# KiCad board ulx4m.kicad_pcb (continued)
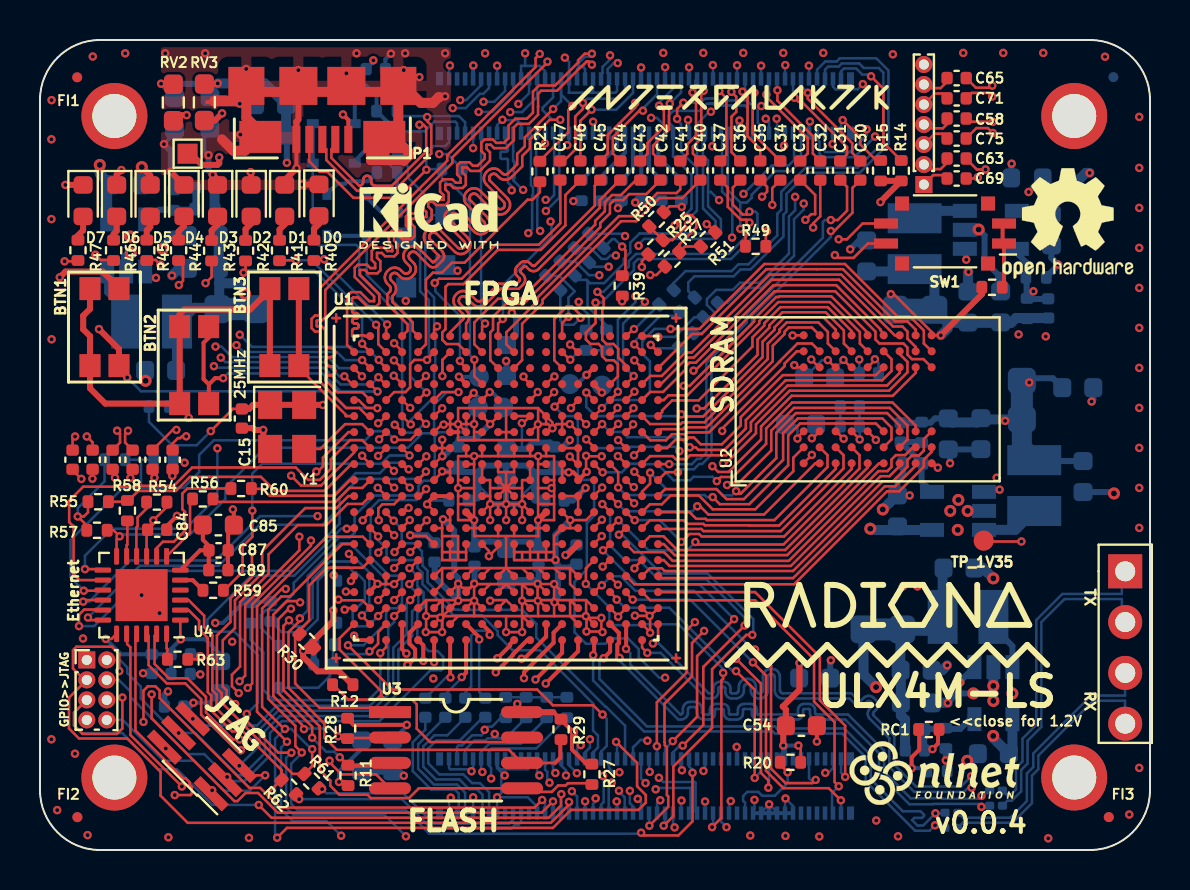
[diagram p0: board, top side]
## Routing (per net, layer and track width the routed paths; a pad name or vN(x,y) marks a point on that pad's centre or on a via; arc(x,y) is an arc through that point) (continued)
  In2signal.Cu w0.127: v3(36.62,32.25) 36.83,32.05 36.83,30.79 36.48,30.44 35.51,30.44 34.28,29.21 32.47,29.21 31.15,27.9 29.99,27.9 v3(29.78,27.69)
  Bottom w0.127: v3(29.78,27.69) 29.78,27.39 28.9,26.51 v3(28.9,22.92)
FPDI_D2+: length 17.1
  Top w0.127: v3(27.88,27.91) 28.19,27.6 28.19,27.12 28.12,27.05 28.12,25.51 28.32,25.3 28.68,25.3 28.92,25.06 28.92,24.62 29.31,24.23 U1.C18 ; C37.1 34.39,33.12 34.39,32.16 35.04,31.52 35.33,31.52 v3(35.48,31.37)
  Bottom w0.127: v3(35.48,31.37) 35.48,30.84 34.44,29.8 29.8,29.8 29.45,29.45 29.45,29.18 28.17,27.91 v3(27.88,27.91)
FPDI_D2-: length 19.2
  Top w0.127: v3(27.78,27.37) 27.78,26.34 27.3,25.86 27.3,25.53 27.52,25.3 27.93,25.3 28.11,25.12 28.11,24.69 28.32,24.49 28.7,24.49 28.9,24.28 28.9,23.69 U1.D17 ; C36.1 34.65,33.12 34.65,32.27 35.14,31.77 35.33,31.77 v3(35.48,31.92)
  Bottom w0.127: v3(27.78,27.37) 28.08,27.37 29.7,28.99 29.7,29.34 29.91,29.55 34.55,29.55 35.88,30.87 35.88,31.81 35.78,31.92 v3(35.48,31.92)
GLOBAL_EN: length 18.5
  Top w0.127: U1.U18 29.31,12.85 v3(29.64,12.52) ; v3(40.05,2.48) 39.44,3.09 37.17,3.09 36.31,3.96 36.31,8.72 v3(35.65,9.38)
  Bottom w0.127: v3(29.64,12.52) 32.51,12.52 v3(35.65,9.38) ; J1.99 40.06,2.48 v3(40.05,2.48)
GN0: length 14.4
  Top w0.127: U1.C11 24.11,24.49 24.11,26.31 25.13,27.34 25.13,27.52 29.05,31.44 29.81,31.44 30.97,32.59 32.12,32.59 C40.1
GN3: length 14.4
  Top w0.127: U1.C10 22.52,24.49 22.52,25.88 22.66,26.02 22.66,26.66 23.3,27.31 24.19,27.31 28.02,31.14 28.02,31.35 28.5,31.84 28.5,32.29 28.71,32.49 29.16,32.49 29.46,32.79 30.32,32.79 C42.1
GN4: length 14
  Top w0.127: C44.1 28.99,33.49 27.99,32.5 27.99,32.11 24.93,29.04 24.87,28.99 24.8,28.96 24.72,28.94 24.64,28.94 24.57,28.96 24.5,28.99 24.44,29.04 24.34,29.14 24.32,29.16 24.29,29.17 24.27,29.18 24.24,29.18 24.22,29.17 24.2,29.16 24.18,29.14 24.06,29.02 24.04,29 24.03,28.98 24.02,28.96 24.02,28.93 24.03,28.91 24.04,28.88 24.06,28.86 24.16,28.76 24.21,28.7 24.24,28.63 24.26,28.56 24.26,28.48 24.24,28.4 24.21,28.33 24.16,28.27 23.95,28.06 23.04,28.06 22.28,27.3 22.2,27.24 22.11,27.19 22.01,27.17 21.91,27.17 21.81,27.19 21.72,27.24 21.64,27.3 21.32,27.62 21.28,27.65 21.24,27.67 21.19,27.68 21.14,27.68 21.09,27.67 21.05,27.65 21.01,27.62 20.98,27.58 20.96,27.54 20.94,27.49 20.94,27.44 20.96,27.39 20.98,27.34 21.01,27.3 21.33,26.98 21.39,26.9 21.44,26.81 21.46,26.72 21.46,26.62 21.44,26.52 21.39,26.43 21.33,26.35 21.31,26.33 U1.A8
GN5: length 14
  Top w0.127: U1.B8 20.91,25.3 20.33,25.3 20.12,25.51 20.12,25.88 20.28,26.04 20.28,28.15 20.42,28.29 21.18,28.29 22.89,30 25.05,30 26.27,31.23 26.27,32.75 C46.1
GP0: length 13.4
  Top w0.127: C41.1 32.02,33.03 31.83,32.85 30.86,32.85 29.71,31.69 28.95,31.69 24.88,27.62 24.88,27.44 23.32,25.88 23.32,25.29 U1.B11
GP3: length 13.3
  Top w0.127: U1.B9 21.72,25.29 21.72,26.38 22.91,27.56 24.06,27.56 27.76,31.27 27.76,31.46 28.25,31.94 28.25,32.39 28.61,32.75 29.05,32.75 29.8,33.49 C43.1
GP4: length 13.9
  Top w0.127: U1.A7 20.51,25.89 21.13,26.51 21.16,26.55 21.18,26.59 21.19,26.64 21.19,26.69 21.18,26.74 21.16,26.78 21.13,26.82 20.81,27.14 20.75,27.22 20.7,27.31 20.68,27.41 20.68,27.51 20.7,27.61 20.75,27.7 20.81,27.78 20.85,27.82 20.93,27.88 21.02,27.93 21.12,27.95 21.22,27.95 21.31,27.93 21.4,27.88 21.48,27.82 21.8,27.5 21.84,27.47 21.89,27.45 21.94,27.43 21.99,27.43 22.04,27.45 22.08,27.47 22.12,27.5 22.94,28.31 23.84,28.31 23.97,28.44 23.98,28.46 23.99,28.48 24,28.51 24,28.53 23.99,28.55 23.98,28.58 23.97,28.6 23.86,28.7 23.81,28.76 23.78,28.83 23.76,28.9 23.76,28.98 23.78,29.06 23.81,29.13 23.86,29.19 24.01,29.34 24.07,29.39 24.14,29.42 24.22,29.44 24.3,29.44 24.37,29.42 24.44,29.39 24.5,29.34 24.6,29.23 24.62,29.22 24.65,29.21 24.67,29.2 24.69,29.2 24.72,29.21 24.74,29.22 24.76,29.23 25.42,29.9 27.74,32.21 27.74,33.22 C45.1
GP5: length 14.6
  Top w0.127: U1.C8 21,24.4 v3(21,24.46) ; C47.1 26.02,31.34 24.95,30.26 22.79,30.26 21.09,28.56 19.95,28.56 v3(19.74,28.35)
  Bottom w0.127: 19.77,28.41 19.77,27.93 21,26.7 v3(21,24.46)
GPIO2: length 19.7
  Top w0.127: v3(35.24,11.22) 33.17,9.15 33.17,6.25 v3(32.14,5.22) ; v3(28.12,17.29) 28.51,16.9 U1.M17
  Bottom w0.127: v3(28.12,17.29) 28.51,16.9 28.51,15.22 29.24,14.49 29.96,14.49 30.92,13.53 33.32,13.53 35.24,11.62 v3(35.24,11.22) ; v3(32.14,5.22) 31.99,5.22 31.66,4.89 J1.58
GPIO3: length 16.9
  Top w0.127: U1.P17 28.2,14.98 v3(28.15,14.98) ; v3(31.64,5.44) 32.86,6.66 32.86,9.69 v3(34.71,11.54)
  Bottom w0.127: v3(31.64,5.44) 31.26,5.06 J1.56 ; v3(34.71,11.54) 32.99,13.26 29.87,13.26 v3(28.15,14.98)
GPIO4: length 14.9
  Top w0.127: v3(30.85,5.19) 30.85,7.38 32.35,8.89 32.35,11 v3(32.75,11.39) ; U1.P16 27.71,15.31 v3(28.09,15.69)
  In2signal.Cu w0.127: v3(32.75,11.39) 32.69,11.39 30.89,13.2 30.89,13.58 29.48,14.98 28.72,14.98 28.09,15.61 v3(28.09,15.69)
  Bottom w0.127: v3(30.85,5.19) 30.86,5.18 J1.54
GPIO5: length 46.6
  Top w0.127: U1.N1 15.37,16.09 v3(15.34,16.06)
  In2signal.Cu w0.127: v3(10.34,6.8) 10.34,6.47 7.44,3.58 6.9,3.58 6.34,3.01 6.34,2.58 6.57,2.35 6.91,2.35 7.09,2.52 7.77,2.52 8.44,1.85 11.66,1.85 11.87,2.07 23.22,2.07 24.07,2.91 25.6,2.91 25.88,3.19 26.26,3.19 26.4,3.34 26.92,3.34 27.25,3.67 27.25,5.04 v3(27.04,5.25)
  Bottom w0.127: v3(15.34,16.06) 15.06,16.06 12.71,13.71 10.56,13.71 8.37,11.52 8.37,11.19 8.65,10.91 9.72,10.91 10.9,9.73 10.9,7.36 v3(10.34,6.8) ; v3(27.04,5.25) 26.86,5.06 J1.34
GPIO6: length 21.3
  Top w0.127: U1.R1 15.45,14.75 v3(15.45,14.8)
  In2signal.Cu w0.127: v3(15.45,14.8) 15.81,14.45 15.81,13.79 16.7,12.89 18.28,12.89 19.34,12.89 20.49,11.74 20.74,11.74 20.81,11.81 24.5,11.81 25.27,11.04 25.27,9.63 26.63,8.27 26.63,6.56 26.23,6.17 26.23,3.8 v3(26.31,3.73) 26.31,3.81 26.3,3.82
  Bottom w0.127: v3(26.31,3.73) 26.31,3.99 26.06,4.24 J1.30
GPIO7: length 21.6
  Top w0.127: U1.P3 16.92,14.91 v3(16.92,14.87)
  In2signal.Cu w0.127: v3(16.92,14.87) 16.92,14.2 17.43,13.69 18.28,13.69 18.9,13.69 20.53,12.06 24.63,12.06 25.52,11.17 25.52,9.74 26.9,8.36 26.9,6.66 27.63,5.94 27.69,5.94 27.9,5.73 27.9,4.04 27.76,3.89 27.76,2.61 v3(27.79,2.58)
  Bottom w0.127: v3(27.79,2.58) 27.79,2.43 27.66,2.3 J1.37
GPIO8: length 21.2
  Top w0.127: v3(17.73,14.9) 17.73,14.92 U1.P4
  In2signal.Cu w0.127: v3(17.73,14.9) 18.13,14.49 18.71,14.49 20.34,12.86 25.09,12.86 25.3,12.65 25.3,11.78 25.79,11.29 25.79,9.83 27.16,8.46 27.16,6.77 27.73,6.19 27.8,6.19 28.16,5.83 v3(28.16,3.7)
  Bottom w0.127: J1.39 28.06,2.26 28.19,2.39 28.19,3.67 v3(28.16,3.7)
GPIO9: length 29.9
  Top w0.127: U1.L5 18.95,17.69 v3(19.31,18.05) ; v3(28.13,6.77) 27.67,7.24 25.65,7.24 24.86,8.02 17.61,8.02 v3(15.4,10.24)
  Bottom w0.127: v3(19.31,18.05) 19.31,17.97 18.83,17.49 16.96,17.49 16.54,17.07 16.54,16.22 16.51,16.2 16.51,14.67 17.47,13.71 17.86,13.71 18.1,13.48 18.1,13.15 18.1,13.14 18.1,12.33 17.85,12.08 17.5,12.08 17.31,11.89 17.31,11.36 16.18,10.24 v3(15.4,10.24) ; v3(28.13,6.77) 28.34,6.56 28.34,5.2 28.06,4.92 J1.40
GPIO10: length 63.8
  Top w0.127: U1.K4 18.49,18.12 v3(18.49,18.12) ; v3(12.25,6.05) 12.21,6.05 11.11,7.16 11.11,12.08 12.09,13.05 v3(12.29,13.05) ; U4.3 7.43,12.49 8.21,11.71 8.21,11.14 8.62,10.73 8.62,10.03 8.62,7.99 8.83,7.78 8.83,7.07 9.72,6.18 10.25,6.18 12.63,3.81 R61.2 13.61,4.2 v2(13.61,5.04) ; v3(11.86,0.61) 12.35,1.1 25.65,1.1 26.55,2 29.93,2 30.29,2.37 30.29,2.75 29.86,3.19 29.86,4.36 v3(28.81,5.4)
  In2signal.Cu w0.127: v3(12.29,13.05) 12.54,13.3 12.54,16.04 15.22,18.72 17.15,18.72 17.38,18.49 18.11,18.49 v3(18.49,18.12)
  Bottom w0.127: J1.44 28.86,5.36 v3(28.81,5.4) ; v2(13.61,5.04) 13.57,5.04 12.56,6.05 v3(12.25,6.05) 11.76,5.56 11.76,0.72 v3(11.86,0.61)
GPIO11: length 18.8
  Top w0.127: v3(16.91,15.68) 16.91,15.69 U1.N2
  Bottom w0.127: v3(16.91,15.68) 16.91,15.49 17.33,15.07 17.33,14.5 17.34,14.49 18.71,14.49 18.88,14.33 18.88,14.11 19.13,13.86 19.13,13.29 20.67,11.74 22.09,11.74 22.89,10.94 22.89,10.74 23.64,9.98 25,9.98 27.66,7.33 27.66,5.97 27.9,5.73 27.9,5.12 27.66,4.88 J1.38
GPIO12: length 57.9
  Top w0.127: v3(3.96,8.94) 3.96,9.79 3.59,10.16 1.82,10.16 1.65,9.99 1.65,9.07 2.22,8.5 J6.3 1.45,7.61 1.45,6.07 1.95,5.57 4.36,5.57 6.03,3.9 6.03,2.71 7.39,1.36 25.54,1.36 26.45,2.27 v2(26.45,2.41) ; v3(9.94,7.84) 9.6,8.18 9.6,8.76 10,9.17 10,12.39 11.43,13.81 11.43,14.78 12.89,16.24 14.32,16.24 15.38,17.3 16.12,17.3 U1.L2
  In2signal.Cu w0.127: v3(3.96,8.94) 4.13,8.78 4.13,8.55 4.24,8.55 5.4,7.38 6.47,7.38 7.14,8.05 9.73,8.05 v3(9.94,7.84)
  Bottom w0.127: 26.46,1.99 26.46,2.4 v2(26.45,2.41)
GPIO13: length 21.1
  Top w0.127: v3(15.55,13.45) 15.55,13.53 U1.T1
  In2signal.Cu w0.127: v3(15.55,13.45) 15.55,13.28 16.74,12.09 17.26,12.09 17.31,12.04 17.31,11.1 17.64,10.77 18.67,10.77 19.08,10.36 20.8,10.36 21.99,11.55 24.39,11.55 25.01,10.93 25.01,9.53 26.36,8.18 26.36,6.71 25.77,6.12 v3(25.77,3.85)
  Bottom w0.127: J1.28 25.66,3.97 v3(25.77,3.85)
GPIO14: length 22
  Top w0.127: U1.N18 29.28,16.09 v3(28.95,15.76) ; v3(31.19,1.22) 31.67,1.7 31.67,4.17 33.61,6.11 33.61,9.04 35.32,10.75 v3(35.62,10.75)
  Bottom w0.127: J1.55 31.26,1.28 v3(31.19,1.22) ; v3(35.62,10.75) 35.67,10.8 35.67,11.54 33.39,13.82 31.06,13.82 29.12,15.76 v3(28.95,15.76)
GPIO15: length 20.6
  Top w0.127: v3(33.21,10.95) 32.61,10.35 32.61,8.69 31.23,7.32 31.23,5.4 31.25,5.38 31.25,5.23 31.35,5.13 31.35,2.75 31.42,2.68 31.42,2.16 v3(30.47,1.22) ; U1.N16 27.71,16.12 v3(28.1,16.51)
  In2signal.Cu w0.127: v3(33.21,10.95) 33.41,11.15 33.41,11.39 31.14,13.67 31.14,13.8 29.71,15.24 28.88,15.24 28.53,15.58 28.53,16.08 v3(28.1,16.51)
  Bottom w0.127: v3(30.47,1.22) 30.46,1.23 J1.51
GPIO16: length 56.1
  Top w0.127: v3(9.76,7.29) 9.34,7.71 9.34,7.97 9.14,8.17 9.14,10.48 9.75,11.1 9.75,12.49 11.11,13.84 11.11,14.94 13.26,17.09 14.82,17.09 15.42,17.69 U1.L1 ; v3(10.94,2.25) 11.58,1.61 25.44,1.61 26.05,2.23 26.05,2.78 v2(26.07,2.79) ; v3(4.12,7.62) 4.12,6.07 3.85,5.8 2.13,5.8 1.7,6.23 1.7,6.86 J6.5
  In2signal.Cu w0.127: v3(9.76,7.29) 9.25,7.8 7.25,7.8 6.57,7.13 5.3,7.13 4.68,7.75 4.24,7.75 v3(4.12,7.62)
  Bottom w0.127: 26.06,1.99 26.05,2 26.05,2.78 v2(26.07,2.79) ; v3(10.94,2.25) 8.63,2.25 6.84,4.03 5.93,4.03 4.12,5.84 2.09,5.84 1.72,6.21 1.72,6.89 J6.5
GPIO17: length 67.2
  Top w0.127: v3(16.91,19.7) 16.92,19.7 U1.H3
  In2signal.Cu w0.127: v3(16.91,19.7) 16.07,20.55 8.62,20.55 8.35,20.28 1.4,20.28 0.87,19.75 0.87,5.82 1.04,5.65 1.04,2.68 2.68,1.03 6.61,1.03 6.64,1.01 11.89,1.01 12.19,1.3 29.17,1.3 30.33,2.46 30.33,3.3 v3(30.28,3.34)
  Bottom w0.127: J1.50 30.06,3.57 v3(30.28,3.34)
GPIO18: length 25.4
  Top w0.127: U1.N5 18.95,16.09 v3(19.34,16.48)
  In2signal.Cu w0.127: v3(19.34,16.48) 20.35,15.47 26.48,15.47 26.94,15.02 26.94,13.54 26.9,13.5 26.9,13.11 26.9,13.11 26.9,10.32 26.98,10.23 28.71,10.23 29.13,10.65 29.29,10.65 29.71,10.24 29.71,8.82 29.72,8.81 29.72,4.74 29.88,4.57 29.88,3.1 30.07,2.91 30.07,2.74 v3(29.89,2.56)
  Bottom w0.127: J1.49 30.06,2.4 v3(29.89,2.56)
GPIO19: length 21.9
  Top w0.127: v3(15.3,12.92) 15.32,12.89 U1.U1
  In2signal.Cu w0.127: v3(25.48,3.36) 25.37,3.47 25.37,6.09 26.11,6.82 26.11,8.07 24.76,9.42 24.76,10.83 24.29,11.3 22.09,11.3 20.9,10.11 18.97,10.11 18.58,10.5 17.11,10.5 16.5,11.11 16.5,11.94 15.52,12.92 v3(15.3,12.92)
  Bottom w0.127: v3(25.48,3.36) 25.37,3.47 25.37,3.9 25.26,4.01 J1.26
GPIO20: length 48.1
  Top w0.127: v2(25.65,2.43) 25.09,1.87 11.89,1.87 10.9,2.85 10.28,2.85 9.88,2.44 9.72,2.44 5.58,6.58 v3(5.58,7.78) ; v3(12.97,15.66) 12.97,14.98 10.26,12.27 10.26,8.71 v3(9.98,8.43) ; v3(16.89,18.11) 16.9,18.11 U1.L3
  In2signal.Cu w0.127: v3(9.98,8.43) 9.88,8.33 6.13,8.33 v3(5.58,7.78) 5.58,9.05 4.48,10.15 2.99,10.15 J6.1 ; v3(12.97,15.66) 13.59,16.28 14,16.28 15.15,17.43 16.22,17.43 v3(16.89,18.11)
  Bottom w0.127: v2(25.65,2.43) 25.66,2.43 25.66,1.99
GPIO21: length 62.3
  Top w0.127: v3(10.39,8.1) 10.61,8.32 10.61,12.27 13.55,15.21 v3(13.55,15.47) ; 11.34,2.78 11.01,3.1 10.47,3.1 5.98,7.59 5.98,7.98 5.77,8.18 5.39,8.18 5.17,7.97 v3(5.17,6.4) ; 11.34,2.78 11.99,2.12 24.73,2.12 v2(25.11,2.5) ; 11.34,2.78 12.06,3.51 R62.2 12.08,4 10.15,5.93 9.61,5.93 8.56,6.98 8.56,7.72 8.39,7.89 8.39,10.6 7.96,11.04 7.96,11.47 7.43,11.99 U4.2 ; v3(16.94,16.49) 16.92,16.51 16.92,17.08 17.12,17.29 17.7,17.29 U1.L4
  In2signal.Cu w0.127: J6.7 2.96,5.89 4.27,5.89 4.79,6.4 v3(5.17,6.4) 7.07,6.4 7.52,5.95 8.96,5.95 10.39,7.38 v3(10.39,8.1) ; v3(16.94,16.49) 16.93,16.49 16.48,16.93 15.01,16.93 v3(13.55,15.47)
  Bottom w0.127: v2(25.11,2.5) 25.26,2.35 J1.25
GPIO22: length 19.6
  Top w0.127: v3(17.69,16.46) 17.31,16.84 U1.M3
  Bottom w0.127: J1.46 29.26,6.21 28.31,7.16 28.28,7.16 24.82,10.62 24.82,11.3 24.12,12 20.93,12 20.92,12.01 20.76,12.01 19.38,13.39 19.38,13.97 19.13,14.22 19.13,14.6 19.1,14.63 19.1,14.93 18.7,15.33 18.15,15.33 18.09,15.39 18.09,16.05 17.69,16.45 v3(17.69,16.46)
GPIO23: length 23.9
  Top w0.127: U1.N4 18.11,16.11 v3(18.49,16.49)
  In2signal.Cu w0.127: v3(29.5,2.96) 29.63,3.09 29.63,4.47 29.46,4.63 29.46,7.32 27.26,9.52 27.24,9.52 26.64,10.12 26.64,13.01 26.64,13.01 26.64,13.6 26.68,13.64 26.68,14.92 26.38,15.21 19.77,15.21 v3(18.49,16.49)
  Bottom w0.127: J1.47 29.66,2.18 29.49,2.34 29.49,2.95 v3(29.5,2.96)
GPIO24: length 23.4
  Top w0.127: v3(17.71,15.74) 17.35,16.09 U1.N3
  In2signal.Cu w0.127: v3(17.71,15.74) 18.14,15.3 18.75,15.3 20.02,14.03 25.9,14.03 26.39,13.55 26.39,12.9 26.39,12.9 26.39,9.95 29.21,7.13 29.21,4.53 29.37,4.36 29.37,3.43 28.95,3.01 v3(28.95,2.96)
  Bottom w0.127: J1.45 29.24,1.86 29.24,2.63 28.95,2.92 v3(28.95,2.96)
GPIO25: length 21.5
  Top w0.127: v3(18.52,14.89) 18.52,14.9 U1.P5
  In2signal.Cu w0.127: v3(18.52,14.89) 18.8,14.89 19.97,13.72 25.85,13.72 26.13,13.44 26.13,12.8 26.14,12.8 26.14,9.84 27.41,8.57 27.41,6.87 27.84,6.44 27.9,6.44 28.41,5.94 28.41,5.17 28.57,5 28.57,3.39 v3(28.59,3.37)
  Bottom w0.127: v3(28.59,3.37) 28.44,3.22 28.44,1.86 J1.41
GPIO26: length 17.3
  Top w0.127: U1.V1 15.31,12.09 v3(15.24,12.02)
  In2signal.Cu w0.127: v3(15.24,12.02) 17,10.25 18.48,10.25 18.87,9.86 21.28,9.86 21.39,9.96 21.4,9.96 21.44,10 23.1,10 23.29,9.81 23.29,5.41 v3(24.97,3.73)
  Bottom w0.127: v3(24.97,3.73) 24.86,3.84 J1.24
GPIO27: length 31.5
  Top w0.127: v3(28.14,14.17) 28.46,14.49 U1.R17
  In2signal.Cu w0.127: v3(28.14,14.17) 28.96,14.17 29.91,13.21 30.06,13.21 33.2,10.07 34.91,10.07 35.21,9.77 35.21,7.72 36.55,6.38 36.55,5.07 37.23,4.39 37.56,4.39 37.92,4.03 37.92,1.87 37.42,1.37 35.46,1.37 34.83,0.74 32.93,0.74 31.49,2.18 31.49,3.98 30.66,4.81 30.42,4.81 30.37,4.86 v3(30.37,5.46)
  Bottom w0.127: J1.48 29.66,5.13 30.03,5.5 30.33,5.5 v3(30.37,5.46)
HDMI0_CEC: length 2.5
  Bottom w0.2: 30.46,35.69 30.46,34.11 R8.2
HDMI0_CLK_N: length 5.3
  Top w0.127: C30.2 40.62,34.85 40.62,35.34 38.4,37.56 v3(38.4,37.86)
  Bottom w0.127: v3(38.4,37.86) 38.06,38.2 J2.90
HDMI0_CLK_P: length 5.5
  Top w0.127: C31.2 40.36,34.79 40.36,35.15 38.1,37.41 37.94,37.41 v3(37.73,37.62)
  Bottom w0.127: v3(37.73,37.62) 37.66,37.69 J2.88
HDMI0_HOTPLUG: length 2.9
  Bottom w0.2: 30.86,35.69 30.86,35.16 30.92,35.1 30.92,34.37 31.19,34.37 R9.2
HDMI0_SCL: length 6.9
  Top w0.127: v3(41.56,38.68) 42.17,38.07 42.17,35.37 R14.2
  Bottom w0.127: v3(41.56,38.68) 41.48,38.77 41.13,38.77 40.82,39.08 40.21,39.08 40.06,38.93 J2.100
HDMI0_SDA: length 3.6
  Top w0.127: R15.2 41.83,34.47 41.02,35.28 41.02,35.61 v3(40.14,36.49)
  Bottom w0.127: v3(40.14,36.49) 40.06,36.41 J2.99
HDMI0_TX0_N: length 5
  Top w0.127: C32.2 38.65,34.83 38.65,35.7 36.88,37.47 v3(36.88,37.99)
  Bottom w0.127: J2.84 36.86,38.01 v3(36.88,37.99)
HDMI0_TX0_P: length 5.2
  Top w0.127: C33.2 38.39,34.83 38.39,35.59 36.33,37.66 v3(36.33,37.78)
  Bottom w0.127: v3(36.33,37.78) 36.46,37.91 J2.82
HDMI0_TX1_N: length 5.1
  Top w0.127: C34.2 35.64,35.84 35.64,37.78 v3(35.73,37.87) 35.73,37.86 35.73,37.54
  Bottom w0.127: J2.78 35.66,37.94 v3(35.73,37.87)
HDMI0_TX1_P: length 4.5
  Top w0.127: v3(35.13,37.92) 35.38,37.66 35.38,35.69 36.02,35.05 C35.2
  Bottom w0.127: J2.76 35.26,38.05 v3(35.13,37.92)
HDMI0_TX2_N: length 4.5
  Top w0.127: C36.2 34.58,34.9 34.58,36.66 34.82,36.91 34.82,37.66 v3(34.58,37.91)
  Bottom w0.127: J2.72 34.46,38.03 v3(34.58,37.91)
HDMI0_TX2_P: length 4.4
  Top w0.127: v3(33.97,37.95) 34.32,37.59 34.32,34.76 C37.2
  Bottom w0.127: v3(33.97,37.95) 34.06,38.04 J2.70
HDMI1_CEC: length 2.2
  Bottom w0.2: R16.2 30.07,34.21 30.06,34.23 30.06,35.69
HDMI1_CLK_N: length 4.5
  Top w0.127: C40.2 32.65,34.82 32.65,35.16 33.07,35.58 33.07,37.85 v3(33.19,37.96)
  Bottom w0.127: J2.66 33.26,38.04 v3(33.19,37.96)
HDMI1_CLK_P: length 4.6
  Top w0.127: 32.69,37.68 32.81,37.56 32.81,35.72 32.37,35.28 32.37,34.8 C41.2
  Top w0.2: 32.69,37.68 32.63,37.73 v3(32.63,37.88)
  Bottom w0.127: v3(32.63,37.88) 32.78,38.03 32.78,38.48 J2.64
HDMI1_HOTPLUG: length 3
  Bottom w0.2: R17.2 27.91,34.32 28.01,34.32 28.86,35.16 28.86,35.69
HDMI1_SCL: length 2.5
  Bottom w0.2: R10.2 29.07,33.49 29.66,34.08 29.66,35.69
HDMI1_SDA: length 2.7
  Bottom w0.2: R13.2 28.07,33.67 29.26,34.86 29.26,35.69
HDMI1_TX0_N: length 4.8
  Top w0.127: v3(31.5,37.32) 31.46,37.28 31.46,36.02 30.66,35.21 30.66,34.81 C42.2
  Bottom w0.127: v3(31.5,37.32) 32.06,37.88 J2.60
HDMI1_TX0_P: length 5
  Top w0.127: C43.2 30.38,34.81 30.38,35.34 31.2,36.16 31.2,36.97 v3(30.96,37.21)
  Bottom w0.127: J2.58 31.66,38.07 30.96,37.37 v3(30.96,37.21)
HDMI1_TX1_N: length 5.3
  Top w0.127: C44.2 28.65,34.82 28.65,35.64 29.97,36.97 v3(30.15,36.97)
  Bottom w0.127: v3(30.15,36.97) 30.15,37.08 30.86,37.78 J2.54
HDMI1_TX1_P: length 5.1
  Top w0.127: v3(29.76,37.35) 29.76,37.12 28.39,35.74 28.39,34.82 C45.2
  Bottom w0.127: J2.52 30.46,38.05 v3(29.76,37.35)
HDMI1_TX2_N: length 5.9
  Top w0.127: v3(27.58,37.02) 27.02,36.46 C46.2
  Bottom w0.127: J2.48 29.66,37.86 28.82,37.02 v3(27.58,37.02)
HDMI1_TX2_P: length 6.5
  Top w0.127: C47.2 26.2,34.45 26.77,35.02 26.77,36.67 27.15,37.06 v3(27.15,37.36)
  Bottom w0.127: J2.46 29.26,37.88 28.94,37.56 27.36,37.56 v3(27.15,37.36)
ID_SC: length 62.4
  Top w0.127: v3(17.7,18.95) 17.36,19.29 U1.J3
  In2signal.Cu w0.127: v3(17.7,18.95) 17.62,19.03 15.82,19.03 15.25,19.6 8.62,19.6 8.2,20.02 1.5,20.02 1.12,19.65 1.12,5.93 1.29,5.76 1.29,2.78 2.79,1.29 11.81,1.29 12.08,1.56 26.53,1.56 27.26,2.28 v3(27.26,2.43)
  Bottom w0.127: v3(27.26,2.43) 27.26,2.43 J1.35
ID_SD: length 63.1
  Top w0.127: U1.H1 15.71,19.87 14.06,18.22 13.05,18.22 v3(12.56,18.71)
  In2signal.Cu w0.127: v3(27.5,5.54) 27.5,3.27 26.86,2.63 26.86,2.24 26.43,1.81 11.98,1.81 11.76,1.6 8.34,1.6 7.66,2.27 7.19,2.27 7.01,2.09 6.46,2.09 5.93,2.62 5.93,4.77 5.07,5.64 1.78,5.64 1.38,6.03 1.38,19.54 1.61,19.77 7.59,19.77 8.05,19.3 12.1,19.3 12.6,18.8
  Bottom w0.127: v3(27.5,5.54) 27.5,5.13 27.26,4.88 J1.36
JTAG_TCK: length 26.5
  Top w0.127: U1.T5 18.51,13.29 v3(18.47,13.29)
  Bottom w0.127: J6.2 3.35,9.49 4,9.49 4.36,9.13 4.36,8.85 5.04,8.17 5.04,7.58 6.77,5.85 v3(6.93,5.85) 7.76,5.85 9.87,3.74 10.14,3.74 11.25,4.84 11.25,5.94 12,6.69 16.74,6.69 17.92,7.87 17.92,9.44 17.92,9.45 17.92,10.01 18.61,10.7 18.61,11.93 18.92,12.25 18.92,12.78 18.47,13.23 v3(18.47,13.29)
JTAG_TDI: length 28.9
  Top w0.127: v3(18.48,14.09) 18.51,14.09 U1.R5
  Bottom w0.127: J6.4 3.94,8.5 4.52,7.93 4.52,7.65 7.38,4.79 8.22,4.79 v3(9.36,3.65) 9.57,3.44 10.22,3.44 11.5,4.73 11.5,5.85 12.1,6.44 16.98,6.44 19.52,8.98 20.06,8.98 20.16,9.08 20.16,9.66 19.88,9.94 19.43,9.94 18.87,10.5 18.87,11.83 19.18,12.15 19.18,12.87 18.87,13.18 18.87,13.7 v3(18.48,14.09)
JTAG_TDO: length 19.6
  Top w0.127: v3(17.71,11.69) U1.V4
  In2signal.Cu w0.127: v3(7.64,6.56) 7.32,6.87 4.8,6.87 4.45,7.22 3.62,7.22 J6.6
  Bottom w0.127: v3(7.64,6.56) 7.97,6.22 10.85,6.22 11.84,7.21 16.5,7.21 17.42,8.13 17.42,11.1 17.71,11.4 v3(17.71,11.69)
JTAG_TMS: length 26.3
  Top w0.127: v3(11.26,3.73) 10.44,3.73 v3(9.97,4.21) ; U1.U5 v3(18.51,12.49)
  Bottom w0.127: v3(18.51,12.49) 18.33,12.31 18.33,10.78 17.67,10.12 17.67,9.55 17.66,9.55 17.66,8.03 16.6,6.96 11.92,6.96 10.99,6.04 10.99,5.24 v3(9.97,4.21) ; J6.8 4.13,6.5 6.17,4.46 7.7,4.46 9.2,2.96 10.49,2.96 v3(11.26,3.73)
LED0: length 5.7
  Top w0.127: 13.7,29.5 14.18,29.5 v3(14.21,29.53) ; U1.A3 17.31,26.22 v3(17.36,26.27)
  Bottom w0.127: v3(17.36,26.27) 14.21,29.42 v3(14.21,29.53)
LED1: length 7.7
  Top w0.127: U1.B3 16.92,25.29 16.92,26.15 v3(16.81,26.26) ; v3(12.81,29.48) 11.99,29.48
  Bottom w0.127: v3(16.81,26.26) 13.58,29.48 v3(12.81,29.48)
LED2: length 9.5
  Top w0.127: v3(16.11,25.32) 16.11,25.29 U1.B2 ; 10.28,29.48 10.28,28.97 v3(10.18,28.87)
  Bottom w0.127: v3(16.11,25.32) 16.11,26.57 13.7,28.98 10.3,28.98 v3(10.18,28.87)
LED3: length 12.6
  Top w0.127: v3(8.28,28.35) 8.59,28.65 8.59,29.48 ; v3(16.94,24.51) 16.94,24.46 U1.C3
  In2signal.Cu w0.127: v3(9.99,25.76) 9.91,25.76 8.28,27.39 v3(8.28,28.35)
  Bottom w0.127: v3(9.99,25.76) 10.6,25.15 15.55,25.15 15.79,24.91 16.53,24.91 v3(16.94,24.51)
LED4: length 12.8
  Top w0.127: v3(6.94,28.25) 7.15,28.46 7.15,29.28 6.93,29.5 ; U1.C2 v3(16.11,24.49)
  In2signal.Cu w0.127: v3(9.82,25.24) 6.94,28.13 v3(6.94,28.25)
  Bottom w0.127: v3(9.82,25.24) 10.17,24.9 14.85,24.9 15.26,24.5 v3(16.11,24.5)
LED5: length 14.5
  Top w0.127: U1.C1 15.71,24.07 v3(16.1,23.68) ; 5.34,29.5 5.78,29.5 v3(6.02,29.26)
  In2signal.Cu w0.127: v3(6.02,29.26) 6.2,29.08 6.2,27.75 v3(8.78,25.17)
  Bottom w0.127: v3(8.78,25.17) 9.07,25.17 9.6,24.65 14.39,24.65 14.94,24.09 15.69,24.09 v3(16.1,23.68)
LED6: length 16.6
  Top w0.127: v3(2.77,29.77) 3.03,29.5 3.68,29.5 ; v3(15.22,23.68) 15.61,23.29 U1.D1
  In2signal.Cu w0.127: v3(9.04,24.62) 8.74,24.62 5.22,28.14 4.69,28.14 3.07,29.77 v3(2.77,29.77)
  Bottom w0.127: v3(15.22,23.68) 14.98,23.68 14.27,24.39 9.26,24.39 v3(9.04,24.62)
LED7: length 19.6
  Top w0.127: v3(1.23,29.43) 1.83,29.43 1.9,29.5 ; U1.D3 17.27,23.29 v3(16.92,23.64)
  In2signal.Cu w0.127: v3(8.7,24.19) 5.83,27.06 5.82,27.06 5,27.88 4.51,27.88 3.13,29.26 1.4,29.26 v3(1.23,29.43)
  Bottom w0.127: v3(8.7,24.19) 8.77,24.12 14.19,24.12 15.03,23.28 16.56,23.28 v3(16.92,23.64)
nEXTRST: length 16.9
  Top w0.127: U1.U20 35.76,12.89 39,9.65 39,7.49 40.26,6.22 v3(40.26,3.65)
  Bottom w0.127: v3(40.26,3.65) 40.06,3.86 J1.100
PCIe_CLK_N: length 35.9
  Top w0.127: v3(1.75,20.68) 1.63,20.55 C66.2
  In2signal.Cu w0.127: v3(20.64,37.1) 20.83,36.91 20.83,35.44 20.65,35.26 20.65,35.14 20.83,34.96 20.83,34.2 17.71,31.08 17.29,31.08 17.06,31.3 16.43,31.3 16.28,31.15 16.28,30.52 16.5,30.29 16.5,30.21 15.37,29.07 15.3,29.07 15.13,29.24 14.84,29.24 14.59,28.99 14.59,28.7 15.09,28.2 15.09,28.1 14.98,28 14.91,28 14.4,28.51 14.11,28.51 13.82,28.21 13.82,27.52 12.05,25.75 12.05,25.52 12.21,25.36 12.21,25.34 12.05,25.18 12.03,25.18 11.87,25.34 11.64,25.34 9.26,22.97 3.02,22.97 2.78,22.73 2.57,22.73 2.53,22.77 2.32,22.77 2.32,22.55 2.36,22.52 2.36,22.3 1.91,21.85 1.91,20.95 1.75,20.78
  Bottom w0.127: v3(20.64,37.1) 21.29,37.1 22,37.81 22.17,37.81 22.46,38.1 J2.12
PCIe_CLK_nREQ: length 19.2
  Top w0.127: v3(23.14,26.55) 22.91,26.32 U1.A10
  In2signal.Cu w0.127: v3(20.5,39.22) 21.24,38.48 23.8,38.48 24.7,37.58 24.7,33.81 25.8,32.71 25.8,31.69 v3(25.53,31.42)
  Bottom w0.127: v3(20.5,39.22) 20.46,39.18 J2.2 ; v3(23.14,26.55) 23.15,26.56 23.15,28.23 25.58,30.66 25.58,31.37 v3(25.53,31.42)
PCIe_CLK_P: length 35.3
  Top w0.127: C59.1 2.63,20.39 v3(2.34,20.68)
  In2signal.Cu w0.127: v3(2.34,20.68) 2.19,20.83 2.19,21.77 3.13,22.71 9.37,22.71 11.74,25.09 11.76,25.09 11.93,24.92 12.16,24.92 12.47,25.23 12.47,25.46 12.3,25.63 12.3,25.65 14.28,27.62 14.28,27.91 14.11,28.07 14.11,28.15 14.22,28.25 14.29,28.25 14.8,27.74 15.09,27.74 15.34,28 15.34,28.31 15.07,28.59 15.06,28.59 14.85,28.81 14.85,28.88 14.95,28.98 15.03,28.98 15.19,28.82 15.48,28.82 16.76,30.1 16.76,30.4 16.53,30.62 16.53,31.05 16.95,31.05 17.18,30.82 17.81,30.82 21.08,34.09 21.08,35.73 21.33,35.98 21.33,36.03 21.08,36.28 21.08,37.43 v3(21.02,37.5)
  Bottom w0.127: v3(21.02,37.5) 21.31,37.5 22.06,38.24 J2.10
PCIe_nRST: length 10.3
  Top w0.127: v3(22.26,26.32) 22.11,26.18 U1.A9
  Bottom w0.127: J2.9 22.06,26.52 v3(22.26,26.32)
PCIe_RX_N: length 35.2
  Top w0.127: C67.2 4,20.37 4,20.82 v3(3.86,20.96)
  In2signal.Cu w0.127: v3(21.93,36.9) 22.28,36.9 22.42,36.76 22.42,34.44 14.04,26.06 11.74,23.76 11.58,23.76 11.41,23.92 11.04,23.92 10.88,23.75 10.88,23.38 11.04,23.22 11.04,23.05 11.03,23.04 10.87,23.04 10.7,23.21 10.33,23.21 10.16,23.04 10.16,22.67 10.33,22.5 10.33,22.34 8.68,22.34 8.58,22.44 8.38,22.44 8.28,22.34 8.08,22.34 7.98,22.44 7.78,22.44 7.68,22.34 7.24,22.34 6.67,21.77 6.35,21.77 6.23,21.89 6.23,22.12 5.97,22.38 5.74,22.38 5.47,22.12 5.47,20.99 5.34,20.86 5.22,20.99 5.22,21.5 4.94,21.77 4.38,21.77 4,21.4 4,21.11 v3(3.86,20.96)
  Bottom w0.127: v3(21.93,36.9) 22.61,36.9 23.66,37.95 J2.18
PCIe_RX_P: length 35.5
  Top w0.127: v3(4.4,20.96) 4.26,20.82 4.26,20.37 C61.1
  In2signal.Cu w0.127: v3(22.18,37.41) 22.68,36.91 22.68,34.84 22.8,34.71 23.11,34.71 23.24,34.59 23.11,34.46 22.8,34.46 11.93,23.59 11.85,23.5 11.47,23.5 11.31,23.67 11.15,23.67 11.13,23.65 11.13,23.49 11.29,23.32 11.29,22.95 11.13,22.79 10.76,22.79 10.6,22.95 10.43,22.95 10.42,22.94 10.42,22.77 10.58,22.61 10.58,22.24 10.43,22.09 8.12,22.09 7.92,21.89 7.82,21.89 7.62,22.09 7.34,22.09 6.77,21.52 6.24,21.52 5.98,21.78 5.98,22.01 5.87,22.13 5.84,22.13 5.73,22.01 5.73,20.88 5.45,20.61 5.24,20.61 4.96,20.88 4.96,21.39 4.84,21.52 4.48,21.52 4.26,21.29 4.26,21.11 v3(4.4,20.96)
  Bottom w0.127: J2.16 23.26,37.95 22.72,37.41 v3(22.18,37.41)
